# Altium PCB GenPulseBox.PcbDoc (part 1 of 3) (continued)
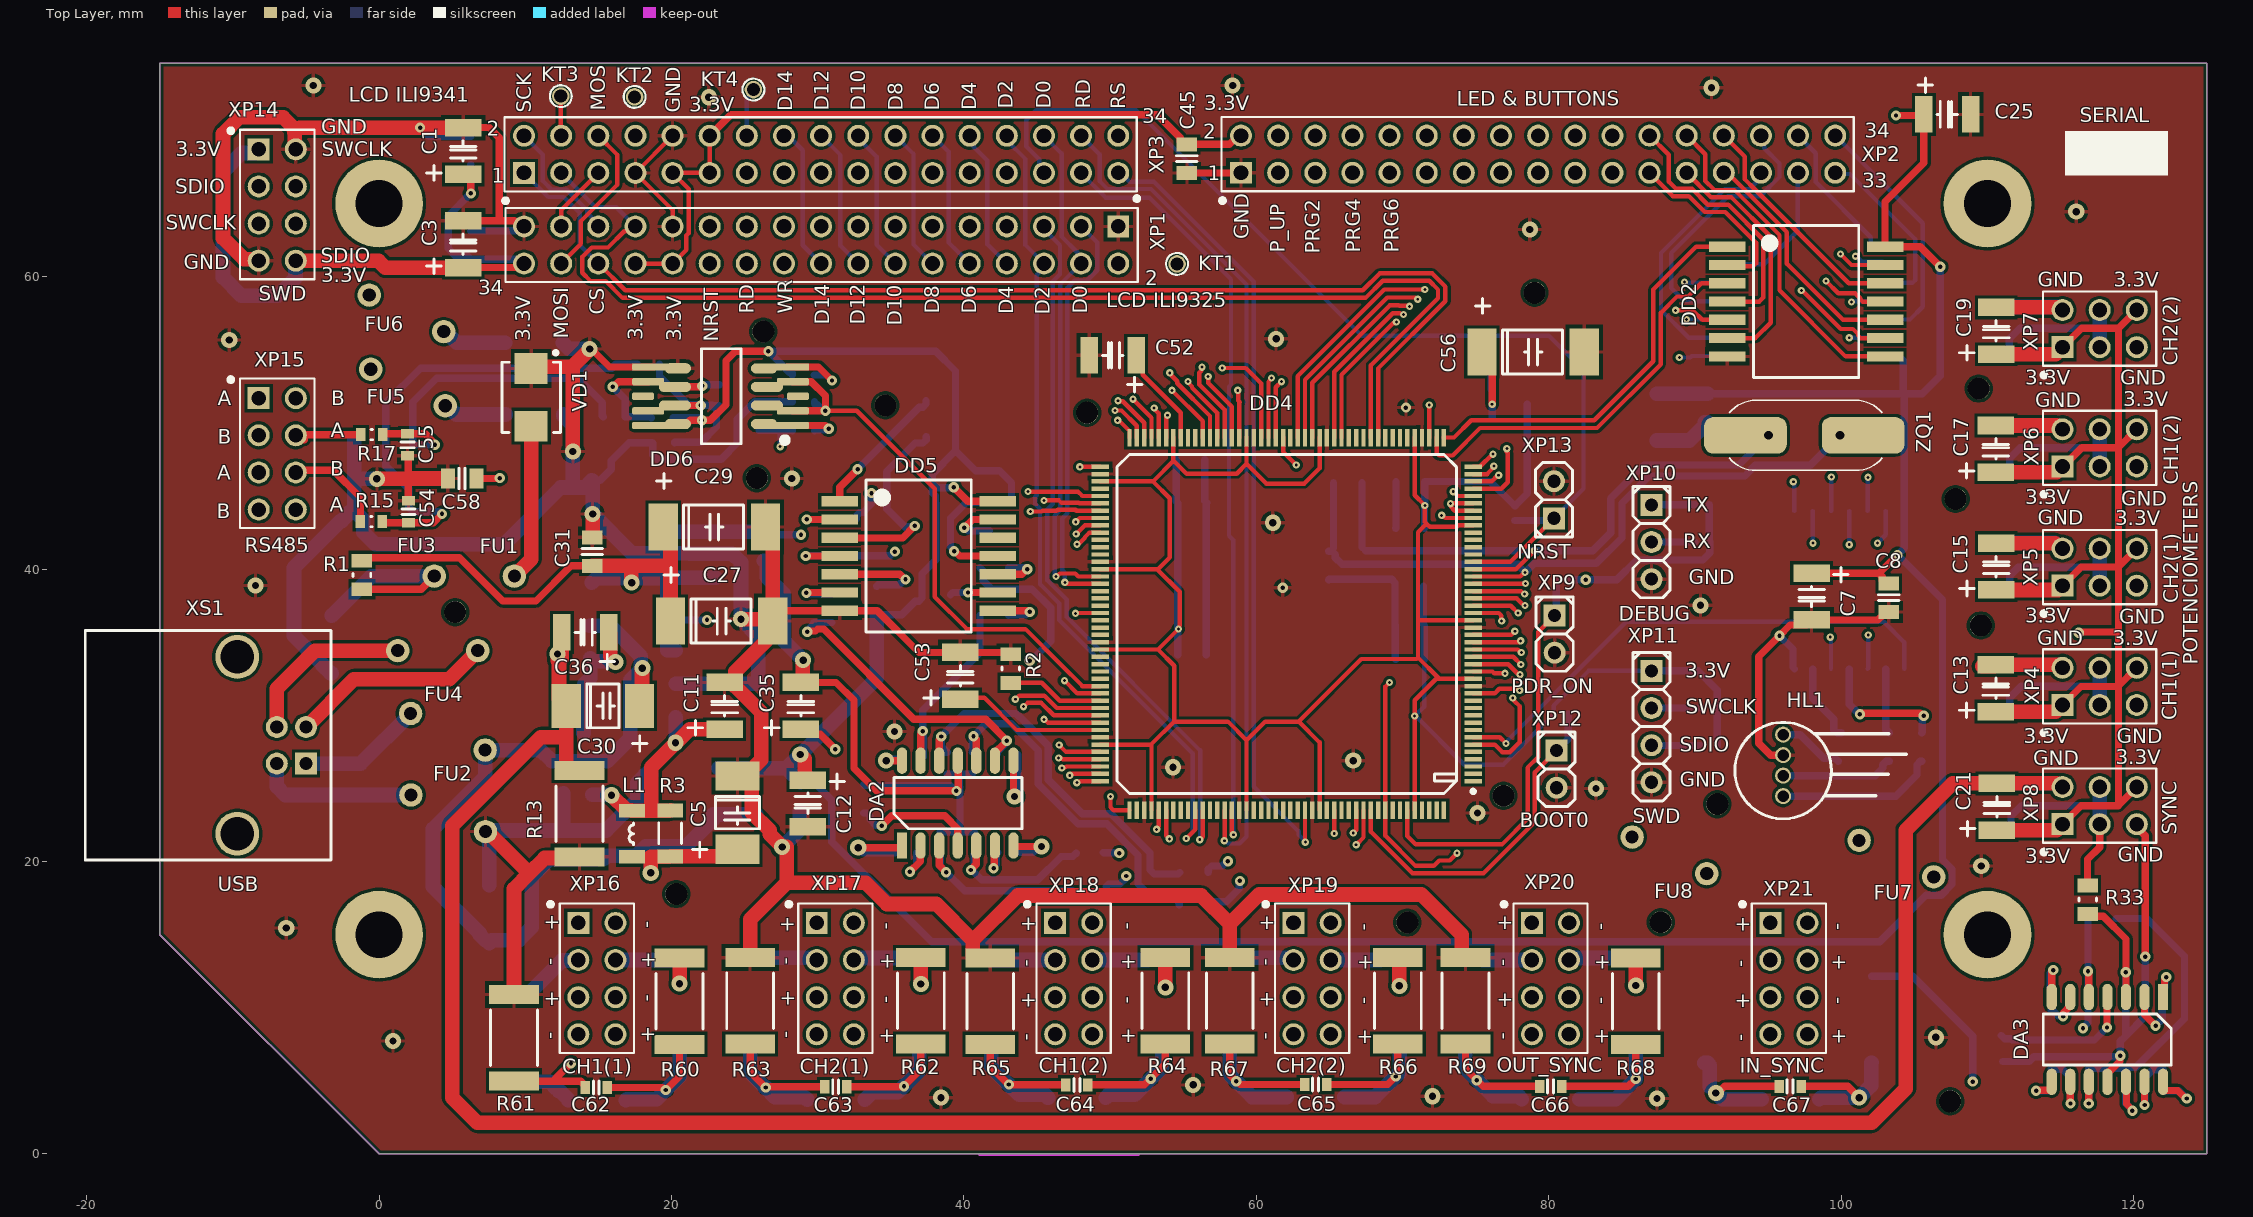
[diagram p0: Top Layer view]
## Part data (continued)
R3 R4 R12 R14: library part 3037, Manufacturer="АО «НПО «Эркон»", ManufacturerTU=ОЖ0.467.164ТУ, Package="1206 (3216)", PartNumber="Р1-8В-0,25-100 Ом±5 %-Т-А", PowerLimit=0,25, SolderTemperature=255, TemperatureRange="от минус 65 до 155", VoltageLimit=200, Alternative="1206 100 Ом, 0,25 Вт, ±5 %", Alternative2="Р1-8В-0,25-100 Ом±5 %-Т-А ОЖ0.467.164ТУ", CardKRR=68, ComponentLink1Description=Р1-8В, ComponentLink1URL=\\192.168.0.253\U_Base\PDF\R\Р1-8В.pdf, DataSheet=\\192.168.0.253\U_Base\PDF\R\Р1-8В.pdf, Group=Резисторы, HelpURL=\\192.168.0.253\U_Base\PDF\R\Р1-8В.pdf, Key=3037, Mark=101, Mass=0,01, MilitaryControl=ВП, Modify=28.06.2019, MountType=ПМ, Name=Р1-8В, SolderName=R1-8B-0.25-100Om, ViewControl="В, 10%", X_SORT_1=400, X_SORT_2=100, X_SORT_3=1
R5 R6 R7 R8 R9 R10 R11: library part 2905, Manufacturer="АО «НПО «Эркон»", ManufacturerTU=ОЖ0.467.164ТУ, Package="0402 (1005)", PartNumber="Р1-8В-0,063-10 кОм±5 %-Т-А", PowerLimit=0,063, SolderTemperature=255, TemperatureRange="от минус 65 до 155", VoltageLimit=50, Alternative="0402 10 кОм, 0,062 Вт, ±5 %", Alternative2="Р1-8В-0,062-10 кОм±5 %-Т-А ОЖ0.467.164ТУ", CardKRR=68, ComponentLink1Description=Р1-8В, ComponentLink1URL=\\192.168.0.253\U_Base\PDF\R\Р1-8В.pdf, DataSheet=#\\192.168.0.253\U_Base\PDF\R\Р1-8В.pdf#, Group=Резисторы, HelpURL=\\192.168.0.253\U_Base\PDF\R\Р1-8В.pdf, Key=2905, Mark=103, Mass=0,0007, MilitaryControl=ВП, Modify=28.06.2019, MountType=ПМ, Name=Р1-8В, SolderName=R1-8B-0.063-10kOm, ViewControl="В, 10%", X_SORT_1=400, X_SORT_2=100, X_SORT_3=1
R13 R70 R71: library part 3121, Manufacturer="АО «НПО «Эркон»", ManufacturerTU=ОЖ0.467.164ТУ, Package="2512 (6432)", PartNumber="Р1-8В-1,0-0,15 Ом±20 %-А", PowerLimit=1, SolderTemperature=255, TemperatureRange="от минус 65 до 155", VoltageLimit=200, Alternative="2512 0,15 Ом, 1 Вт, ±5 %", Alternative2="Р1-8В-1,0-0,15 Ом±20 %-А ОЖ0.467.164ТУ", CardKRR=68, ComponentLink1Description=Р1-8В, Group=Резисторы, Key=3121, Mark=0R15, Mass=0,04, MilitaryControl=ВП, Modify=28.06.2019, MountType=ПМ, Name=Р1-8В, SolderName=R1-8B-1.0-0.15Om, ViewControl="В, 10%", X_SORT_1=400, X_SORT_2=100, X_SORT_3=1
  R13: ComponentLink1URL=\\192.168.0.253\U_Base\PDF\R\Р1-8В.pdf, DataSheet=\\192.168.0.253\U_Base\PDF\R\Р1-8В.pdf, HelpURL=\\192.168.0.253\U_Base\PDF\R\Р1-8В.pdf
  R70 R71: ComponentLink1URL=\\192.168.0.101\U_Base\PDF\R\Р1-8В.pdf, DataSheet=#\\192.168.0.101\U_Base\PDF\R\Р1-8В.pdf#, HelpURL=\\192.168.0.101\U_Base\PDF\R\Р1-8В.pdf
R15 R17 R19 R21: library part 2944, Manufacturer="АО «НПО «Эркон»", ManufacturerTU=ОЖ0.467.164ТУ, Package="0603 (1608)", PartNumber="Р1-8В-0,1-10 Ом±5 %-Т-А", PowerLimit=0,1, SolderTemperature=255, TemperatureRange="от минус 65 до 155", VoltageLimit=100, Alternative="0603 10 Ом, 0,1 Вт, ±5 %", Alternative2="Р1-8В-0,1-10 Ом±5 %-Т-А ОЖ0.467.164ТУ", CardKRR=68, ComponentLink1Description=Р1-8В, ComponentLink1URL=\\192.168.0.253\U_Base\PDF\R\Р1-8В.pdf, DataSheet=\\192.168.0.253\U_Base\PDF\R\Р1-8В.pdf, Group=Резисторы, HelpURL=\\192.168.0.253\U_Base\PDF\R\Р1-8В.pdf, Key=2944, Mark=100, Mass=0,002, MilitaryControl=ВП, Modify=28.06.2019, MountType=ПМ, Name=Р1-8В, SolderName=R1-8B-0.1-10Om, ViewControl="В, 10%", X_SORT_1=400, X_SORT_2=100, X_SORT_3=1
R16 R22 R23 R24 R25 R26: library part 32904893, Manufacturer="АО «НПО «Эркон»", ManufacturerTU=ОЖ0.467.164ТУ, PartNumber="Р1-8В-0,125-10 МОм±5 %-Т-А", PowerLimit=0,125, SolderTemperature=255, TemperatureRange="от минус 65 до 155", VoltageLimit=150, Alternative="0805 10 МОм, 0,125 Вт, ±5 %", CardKRR=68, ComponentLink1Description=Р1-8В, ComponentLink1URL=\\192.168.0.253\U_Base\PDF\R\Р1-8В.pdf, DataSheet=\\192.168.0.253\U_Base\PDF\R\Р1-8В.pdf, Group=Резисторы, HelpURL=\\192.168.0.253\U_Base\PDF\R\Р1-8В.pdf, Key=32904893, MilitaryControl=ВП, Modify=28.06.2019, MountType=ПМ, Name=Р1-8В, SolderName=R1-8B-0.125-10MOm, ViewControl="В, 10%", X_SORT_1=400, X_SORT_2=100, X_SORT_3=1
R18 R20 R27 R28 R34 R40 R41 R42 R49 R57 R58 R59: library part 2943, Manufacturer="АО «НПО «Эркон»", ManufacturerTU=ОЖ0.467.164ТУ, Package="0603 (1608)", PartNumber="Р1-8В-0,1-10 кОм±5 %-Т-А", PowerLimit=0,1, SolderTemperature=255, TemperatureRange="от минус 65 до 155", VoltageLimit=100, Alternative="0603 10 кОм, 0,1 Вт, ±5 %", Alternative2="Р1-8В-0,1-10 кОм±5 %-Т-А ОЖ0.467.164ТУ", CardKRR=68, ComponentLink1Description=Р1-8В, ComponentLink1URL=\\192.168.0.253\U_Base\PDF\R\Р1-8В.pdf, DataSheet=\\192.168.0.253\U_Base\PDF\R\Р1-8В.pdf, Group=Резисторы, HelpURL=\\192.168.0.253\U_Base\PDF\R\Р1-8В.pdf, Key=2943, Mark=103, Mass=0,002, MilitaryControl=ВП, Modify=28.06.2019, MountType=ПМ, Name=Р1-8В, SolderName=R1-8B-0.1-10kOm, ViewControl="В, 10%", X_SORT_1=400, X_SORT_2=100, X_SORT_3=1
R29 R30 R31 R32 R33 R35 R36 R37 R38 R39 R72 R73 R74: library part 2957, Manufacturer="АО «НПО «Эркон»", ManufacturerTU=ОЖ0.467.164ТУ, Package="0805 (2012)", PartNumber="Р1-8В-0,125-1 кОм±5 %-Т-А", PowerLimit=0,125, SolderTemperature=255, TemperatureRange="от минус 65 до 155", VoltageLimit=150, Alternative="0805 1 кОм, 0,125 Вт, ±5 %", Alternative2="Р1-8В-0,125-1 кОм±5 %-Т-А ОЖ0.467.164ТУ", CardKRR=68, ComponentLink1Description=Р1-8В, ComponentLink1URL=\\192.168.0.253\U_Base\PDF\R\Р1-8В.pdf, DataSheet=\\192.168.0.253\U_Base\PDF\R\Р1-8В.pdf, Group=Резисторы, HelpURL=\\192.168.0.253\U_Base\PDF\R\Р1-8В.pdf, Key=2957, Mark=102, Mass=0,006, MilitaryControl=ВП, Modify=28.06.2019, MountType=ПМ, Name=Р1-8В, SolderName=R1-8B-0.125-1kOm, ViewControl="В, 10%", X_SORT_1=400, X_SORT_2=100, X_SORT_3=1
R43: library part 2978, Manufacturer="АО «НПО «Эркон»", ManufacturerTU=ОЖ0.467.164ТУ, Package="0805 (2012)", PartNumber="Р1-8В-0,125-220 кОм±5 %-Т-А", PowerLimit=0,125, SolderTemperature=255, TemperatureRange="от минус 65 до 155", VoltageLimit=150, Alternative="0805 220 кОм, 0,125 Вт, ±5 %", Alternative2="Р1-8В-0,125-220 кОм±5 %-Т-А ОЖ0.467.164ТУ", CardKRR=68, ComponentLink1Description=Р1-8В, ComponentLink1URL=\\192.168.0.101\U_Base\PDF\R\Р1-8В.pdf, DataSheet=#\\192.168.0.101\U_Base\PDF\R\Р1-8В.pdf#, Group=Резисторы, HelpURL=\\192.168.0.101\U_Base\PDF\R\Р1-8В.pdf, Key=2978, Mark=224, Mass=0,006, MilitaryControl=ВП, Modify=28.06.2019, MountType=ПМ, Name=Р1-8В, SolderName=R1-8B-0.125-220kOm, ViewControl="В, 10%", X_SORT_1=400, X_SORT_2=100, X_SORT_3=1
R44 R45 R46 R47 R48: library part 2941, Manufacturer="АО «НПО «Эркон»", ManufacturerTU=ОЖ0.467.164ТУ, Package="0603 (1608)", PartNumber="Р1-8В-0,1-1,5 кОм±5 %-Т-А", PowerLimit=0,1, SolderTemperature=255, TemperatureRange="от минус 65 до 155", VoltageLimit=100, Alternative="0603 1,5 кОм, 0,1 Вт, ±5 %", Alternative2="Р1-8В-0,1-1,5 кОм±5 %-Т-А ОЖ0.467.164ТУ", CardKRR=68, ComponentLink1Description=Р1-8В, ComponentLink1URL=\\192.168.0.101\U_Base\PDF\R\Р1-8В.pdf, DataSheet=#\\192.168.0.101\U_Base\PDF\R\Р1-8В.pdf#, Group=Резисторы, HelpURL=\\192.168.0.101\U_Base\PDF\R\Р1-8В.pdf, Key=2941, Mark=152, Mass=0,002, MilitaryControl=ВП, Modify=28.06.2019, MountType=ПМ, Name=Р1-8В, SolderName=R1-8B-0.1-1.5kOm, ViewControl="В, 10%", X_SORT_1=400, X_SORT_2=100, X_SORT_3=1
R50: library part 3011, Manufacturer="АО «НПО «Эркон»", ManufacturerTU=ОЖ0.467.164ТУ, Package="0603 (1608)", PartNumber="Р1-8В-0,1-3,3 кОм±5 %-Т-А", PowerLimit=0,1, SolderTemperature=255, TemperatureRange="от минус 65 до 155", VoltageLimit=100, Alternative="0603 3,3 кОм, 0,1 Вт, ±5 %", Alternative2="Р1-8В-0,1-3,3 кОм±5 %-Т-А ОЖ0.467.164ТУ", CardKRR=68, ComponentLink1Description=Р1-8В, ComponentLink1URL=\\192.168.0.253\U_Base\PDF\R\Р1-8В.pdf, DataSheet=\\192.168.0.253\U_Base\PDF\R\Р1-8В.pdf, Group=Резисторы, HelpURL=\\192.168.0.253\U_Base\PDF\R\Р1-8В.pdf, Key=3011, Mark=332, Mass=0,002, MilitaryControl=ВП, Modify=28.06.2019, MountType=ПМ, Name=Р1-8В, SolderName=R1-8B-0.1-3.3kOm, ViewControl="В, 10%", X_SORT_1=400, X_SORT_2=100, X_SORT_3=1
R51: library part 3024, Manufacturer="АО «НПО «Эркон»", ManufacturerTU=ОЖ0.467.164ТУ, Package="0603 (1608)", PartNumber="Р1-8В-0,1-6,8 кОм±5 %-Т-А", PowerLimit=0,1, SolderTemperature=255, TemperatureRange="от минус 65 до 155", VoltageLimit=100, Alternative="0603 6,8 кОм, 0,1 Вт, ±5 %", Alternative2="Р1-8В-0,1-6,8 кОм±5 %-Т-А ОЖ0.467.164ТУ", CardKRR=68, ComponentLink1Description=Р1-8В, ComponentLink1URL=\\192.168.0.253\U_Base\PDF\R\Р1-8В.pdf, DataSheet=\\192.168.0.253\U_Base\PDF\R\Р1-8В.pdf, Group=Резисторы, HelpURL=\\192.168.0.253\U_Base\PDF\R\Р1-8В.pdf, Key=3024, Mark=682, Mass=0,002, MilitaryControl=ВП, Modify=28.06.2019, MountType=ПМ, Name=Р1-8В, SolderName=R1-8B-0.1-6.8kOm, ViewControl="В, 10%", X_SORT_1=400, X_SORT_2=100, X_SORT_3=1
R52 R53 R54 R55 R56: library part 3017, Manufacturer="АО «НПО «Эркон»", ManufacturerTU=ОЖ0.467.164ТУ, Package="0603 (1608)", PartNumber="Р1-8В-0,1-4,7 кОм±5 %-Т-А", PowerLimit=0,1, SolderTemperature=255, TemperatureRange="от минус 65 до 155", VoltageLimit=100, Alternative="0603 4,7 кОм, 0,1 Вт, ±5 %", Alternative2="Р1-8В-0,1-4,7 кОм±5 %-Т-А ОЖ0.467.164ТУ", CardKRR=68, ComponentLink1Description=Р1-8В, ComponentLink1URL=\\192.168.0.101\U_Base\PDF\R\Р1-8В.pdf, DataSheet=#\\192.168.0.101\U_Base\PDF\R\Р1-8В.pdf#, Group=Резисторы, HelpURL=\\192.168.0.101\U_Base\PDF\R\Р1-8В.pdf, Key=3017, Mark=472, Mass=0,002, MilitaryControl=ВП, Modify=28.06.2019, MountType=ПМ, Name=Р1-8В, SolderName=R1-8B-0.1-4.7kOm, ViewControl="В, 10%", X_SORT_1=400, X_SORT_2=100, X_SORT_3=1
R60 R61 R62 R63 R64 R65 R66 R67 R68 R69 R75 R76 R77 R78 R79 R80 R81 R82 R83 R84: library part 3137, Manufacturer="АО «НПО «Эркон»", ManufacturerTU=ОЖ0.467.164ТУ, Package="2512 (6432)", PartNumber="Р1-8В-1,0-22 Ом±5 %-Т-А", PowerLimit=1, SolderTemperature=255, TemperatureRange="от минус 65 до 155", VoltageLimit=200, Alternative="2512 22 Ом, 1 Вт, ±5 %", Alternative2="Р1-8В-1,0-22 Ом±5 %-Т-А ОЖ0.467.164ТУ", CardKRR=68, ComponentLink1Description=Р1-8В, ComponentLink1URL=\\192.168.0.101\U_Base\PDF\R\Р1-8В.pdf, DataSheet=#\\192.168.0.101\U_Base\PDF\R\Р1-8В.pdf#, Group=Резисторы, HelpURL=\\192.168.0.101\U_Base\PDF\R\Р1-8В.pdf, Key=3137, Mark=220, Mass=0,04, MilitaryControl=ВП, Modify=28.06.2019, MountType=ПМ, Name=Р1-8В, SolderName=R1-8B-1.0-22Om, ViewControl="В, 10%", X_SORT_1=400, X_SORT_2=100, X_SORT_3=1
VD1 VD2 VD3 VD4 VD5 VD6 VD7 VD9 VD10 VD11 VD12 VD13 VD14: library part 163, Manufacturer=STMicroelectronics, PartNumber="Диод защитный SMBJ5.0CA-TR", SolderTemperature=260, TemperatureRange="от минус 55 до 150", VoltageLimit=13,4, Alternative="SMBJ5.0CA-TR YJ", CardKRR=56, ComponentLink1URL=\\192.168.0.101\U_Base\PDF\V\SMBJ.pdf, DataSheet=#\\192.168.0.101\U_Base\PDF\V\SMBJ.pdf#, Group=Диоды, HelpURL=\\192.168.0.101\U_Base\PDF\V\SMBJ.pdf, Key=163, Mass=0.26, MilitaryControl=ОТК, Modify=05.12.2022, MountType=ПМ, Name=SMBJ5.0CA, SolderName=SMBJ5.0CA, ViewControl="В, 10%"
VD8: library part 15, Manufacturer="ООО «Крип Техно»", ManufacturerTU=аА0.339.582ТУ, Package=SOT23, PartNumber="Набор диодов 2Д706АС9", TemperatureRange="от минус 60 до 125", Alternative="КД706АС9 аА0.336.543ТУ", Alternative2=BAW56LT1G, CardKRR=55, ComponentLink1Description=2Д706АС9, ComponentLink1URL=\\192.168.0.253\U_Base\PDF\V\2Д706АС9.pdf, DataSheet=#\\192.168.0.253\U_Base\PDF\V\2Д706АС9.pdf#, Group=Диоды, HelpURL=\\192.168.0.253\U_Base\PDF\V\2Д706АС9.pdf, Key=15, Mass=0,009, MilitaryControl=ВП, Modify=14.03.2019, MountType=ПМ, Name=2Д706АС9, SolderName=2D706AS9, ViewControl="В, 10%", X_SORT_1=500, X_SORT_2=300, X_SORT_3=1
XP1 XP2 XP3: library part 57, CurrentLimit=1, Manufacturer="АО «Карачевский завод Электродеталь»", ManufacturerTU=РЮМК.430420.011ТУ, Package=PLD, PartNumber="Вилка СНП346-34ВП22-2-В", PowerLimit=250, TemperatureRange="от минус 60 до 85", Alternative=PLD-34, Alternative2="СНП346-34ВП22-2 РЮМК.430420.019ТУ", CardKRR=75, ComponentLink1Description=СНП346, ComponentLink1URL=\\192.168.0.101\U_Base\PDF\X\СНП346.pdf, Conn35Name=35, Conn36Name=36, Conn37Name=37, Conn38Name=38, Conn39Name=39, Conn40Name=40, DataSheet=#\\192.168.0.101\U_Base\PDF\X\СНП346.pdf#, Group=Соединители, HelpURL=\\192.168.0.101\U_Base\PDF\X\СНП346.pdf, Key=57, Mass=0,00204, MilitaryControl=ВП, Modify=19.09.2018, MountType=РМ, Name=СНП346-34ВП22-2-В, SolderName=SNP346-34VP22-2, ViewControl="В, 10%", VoltageLimit=250, X_SORT_1=700, X_SORT_2=600, X_SORT_3=1
  XP1: Conn01Name=GND, Conn02Name=5V, Conn03Name=D1, Conn04Name=D0, Conn05Name=D3, Conn06Name=D2, Conn07Name=D5, Conn08Name=D4, Conn09Name=D7, Conn10Name=D6, Conn11Name=D9, Conn12Name=D8, Conn13Name=D11, Conn14Name=D10, Conn15Name=D13, Conn16Name=D12, Conn17Name=D15, Conn18Name=D14, Conn19Name=RS, Conn20Name=LCD-CS, Conn21Name=RD, Conn22Name=WR, Conn23Name=NC, Conn24Name=RST, Conn25Name=GND, Conn26Name=BL-VCC, Conn27Name=TP-IRQ, Conn28Name=BL-CTRL, Conn29Name=TP-SCK, Conn30Name=TP-CS, Conn31Name=TP-SDO, Conn32Name=TP-SDI, Conn33Name=GND, Conn34Name=3V3
  XP2: Conn01Name=GND, Conn02Name=3.3V_D, Conn03Name=PAGE_UP, Conn04Name=PROG1, Conn05Name=PROG2, Conn06Name=PROG3, Conn07Name=PROG4, Conn08Name=PROG5, Conn09Name=PROG6, Conn10Name=PAGE_DOWN, Conn11Name=CH1(1)_ON, Conn12Name=CH1(1)_REV, Conn13Name=CH1(2)_ON, Conn14Name=CH1(2)_REV, Conn15Name=CH2(1)_ON, Conn16Name=CH2(1)_REV, Conn17Name=CH2(2)_ON, Conn18Name=CH2(2)_REV, Conn19Name=CALIBR_TP, Conn20Name=LED_PWR_R, Conn21Name=LED_PWR_G, Conn22Name=LED_PWR_B, Conn23Name=LED_CH1(1)_R, Conn24Name=LED_CH1(1)_G, Conn25Name=LED_CH1(1)_B, Conn26Name=LED_CH2(1)_R, Conn27Name=LED_CH2(1)_G, Conn28Name=LED_CH2(1)_B, Conn29Name=LED_CH1(2)_R, Conn30Name=LED_CH1(2)_G, Conn31Name=LED_CH1(2)_B, Conn32Name=LED_CH2(2)_R, Conn33Name=LED_CH2(2)_G, Conn34Name=LED_CH2(2)_B
  XP3: Conn01Name=T_CS, Conn02Name=CLK, Conn03Name=PEN, Conn04Name=F_CS, Conn05Name=MISO, Conn06Name=MOSI, Conn07Name=GND, Conn08Name=NC, Conn09Name=VDD, Conn10Name=GND, Conn11Name=BL, Conn12Name=VDD, Conn13Name=DB15, Conn14Name=SDCS, Conn15Name=DB13, Conn16Name=DB14, Conn17Name=DB11, Conn18Name=DB12, Conn19Name=DB9, Conn20Name=DB10, Conn21Name=DB7, Conn22Name=DB8, Conn23Name=DB5, Conn24Name=DB6, Conn25Name=DB3, Conn26Name=DB4, Conn27Name=DB1, Conn28Name=DB2, Conn29Name=RST, Conn30Name=DB0, Conn31Name=WR, Conn32Name=RD, Conn33Name=CS, Conn34Name=RS
XP4 XP5 XP6 XP7 XP8: library part 43, CurrentLimit=1, Manufacturer="АО «Карачевский завод Электродеталь»", ManufacturerTU=РЮМК.430420.011ТУ, Package=PLD, PartNumber="Вилка СНП346-6ВП22-2-В", PowerLimit=250, TemperatureRange="от минус 60 до 85", Alternative=PLD-6, Alternative2="СНП346-6ВП22-2 РЮМК.430420.019ТУ", CardKRR=75, ComponentLink1Description=СНП346, ComponentLink1URL=\\192.168.0.101\U_Base\PDF\X\СНП346.pdf, Conn01Name=+3.3V_A, Conn02Name=GNDA, Conn05Name=GNDA, Conn06Name=+3.3V_A, Conn07Name=7, Conn08Name=8, Conn09Name=9, Conn10Name=10, Conn11Name=11, Conn12Name=12, Conn13Name=13, Conn14Name=14, Conn15Name=15, Conn16Name=16, Conn17Name=17, Conn18Name=18, Conn19Name=19, Conn20Name=20, Conn21Name=21, Conn22Name=22, Conn23Name=23, Conn24Name=24, Conn25Name=25, Conn26Name=26, Conn27Name=27, Conn28Name=28, Conn29Name=29, Conn30Name=30, Conn31Name=31, Conn32Name=32, Conn33Name=33, Conn34Name=34, Conn35Name=35, Conn36Name=36, Conn37Name=37, Conn38Name=38, Conn39Name=39, Conn40Name=40, DataSheet=#\\192.168.0.101\U_Base\PDF\X\СНП346.pdf#, Group=Соединители, HelpURL=\\192.168.0.101\U_Base\PDF\X\СНП346.pdf, Key=43, Mass=0,00036, MilitaryControl=ВП, Modify=19.09.2018, MountType=РМ, Name=СНП346-6ВП22-2-В, SolderName=SNP346-6VP22-2, ViewControl="В, 10%", VoltageLimit=250, X_SORT_1=700, X_SORT_2=600, X_SORT_3=1
  XP4: Conn03Name=LEV_CH1(1), Conn04Name=LEV_CH1(1)
  XP5: Conn03Name=LEV_CH2(1), Conn04Name=LEV_CH2(1)
  XP6: Conn03Name=LEV_CH1(2), Conn04Name=LEV_CH1(2)
  XP7: Conn03Name=LEV_CH2(2), Conn04Name=LEV_CH2(2)
  XP8: Conn03Name=LEV_SYNC, Conn04Name=LEV_SYNC
XP9 XP12 XP13: library part 2, CurrentLimit=1, Manufacturer="АО «Карачевский завод Электродеталь»", ManufacturerTU=РЮМК.430420.011ТУ, Package=PLS, PartNumber="Вилка СНП346-2ВП22-1-В", PowerLimit=250, TemperatureRange="от минус 60 до 85", Alternative=PLS-2, Alternative2="СНП346-2ВП22-1 РЮМК.430420.019ТУ", CardKRR=75, ComponentLink1Description=СНП346, ComponentLink1URL=\\192.168.0.253\U_Base\PDF\X\СНП346.pdf, Conn02Name=GND, Conn03Name=3, Conn04Name=4, Conn05Name=5, Conn06Name=6, Conn07Name=7, Conn08Name=8, Conn09Name=9, Conn10Name=10, Conn11Name=11, Conn12Name=12, Conn13Name=13, Conn14Name=14, Conn15Name=15, Conn16Name=16, Conn17Name=17, Conn18Name=18, Conn19Name=19, Conn20Name=20, Conn21Name=21, Conn22Name=22, Conn23Name=23, Conn24Name=24, Conn25Name=25, Conn26Name=26, Conn27Name=27, Conn28Name=28, Conn29Name=29, Conn30Name=30, Conn31Name=31, Conn32Name=32, Conn33Name=33, Conn34Name=34, Conn35Name=35, Conn36Name=36, Conn37Name=37, Conn38Name=38, Conn39Name=39, Conn40Name=40, DataSheet=#\\192.168.0.253\U_Base\PDF\X\СНП346.pdf#, Group=Соединители, HelpURL=\\192.168.0.253\U_Base\PDF\X\СНП346.pdf, Key=2, Mass=0,00012, MilitaryControl=ВП, Modify=19.09.2018, MountType=РМ, Name=СНП346-2ВП22-1-В, SolderName=SNP346-2VP22-1, ViewControl="В, 10%", VoltageLimit=250, X_SORT_1=700, X_SORT_2=600, X_SORT_3=1
  XP9: Conn01Name=PDR_ON
  XP12: Conn01Name=BOOT0
  XP13: Conn01Name=NRST
XP10: library part 3, CurrentLimit=1, Manufacturer="АО «Карачевский завод Электродеталь»", ManufacturerTU=РЮМК.430420.011ТУ, Package=PLS, PartNumber="Вилка СНП346-3ВП22-1-В", PowerLimit=250, TemperatureRange="от минус 60 до 85", Alternative=PLS-3, Alternative2="СНП346-3ВП22-1 РЮМК.430420.019ТУ", CardKRR=75, ComponentLink1Description=СНП346, ComponentLink1URL=\\192.168.0.253\U_Base\PDF\X\СНП346.pdf, Conn01Name=USART1_TX, Conn02Name=USART1_RX, Conn03Name=GND, Conn04Name=4, Conn05Name=5, Conn06Name=6, Conn07Name=7, Conn08Name=8, Conn09Name=9, Conn10Name=10, Conn11Name=11, Conn12Name=12, Conn13Name=13, Conn14Name=14, Conn15Name=15, Conn16Name=16, Conn17Name=17, Conn18Name=18, Conn19Name=19, Conn20Name=20, Conn21Name=21, Conn22Name=22, Conn23Name=23, Conn24Name=24, Conn25Name=25, Conn26Name=26, Conn27Name=27, Conn28Name=28, Conn29Name=29, Conn30Name=30, Conn31Name=31, Conn32Name=32, Conn33Name=33, Conn34Name=34, Conn35Name=35, Conn36Name=36, Conn37Name=37, Conn38Name=38, Conn39Name=39, Conn40Name=40, DataSheet=#\\192.168.0.253\U_Base\PDF\X\СНП346.pdf#, Group=Соединители, HelpURL=\\192.168.0.253\U_Base\PDF\X\СНП346.pdf, Key=3, Mass=0,00018, MilitaryControl=ВП, Modify=19.09.2018, MountType=РМ, Name=СНП346-3ВП22-1-В, SolderName=SNP346-3VP22-1, ViewControl="В, 10%", VoltageLimit=250, X_SORT_1=700, X_SORT_2=600, X_SORT_3=1
XP11: library part 4, CurrentLimit=1, Manufacturer="АО «Карачевский завод Электродеталь»", ManufacturerTU=РЮМК.430420.011ТУ, Package=PLS, PartNumber="Вилка СНП346-4ВП22-1-В", PowerLimit=250, TemperatureRange="от минус 60 до 85", Alternative=PLS-4, Alternative2="СНП346-4ВП22-1 РЮМК.430420.019ТУ", CardKRR=75, ComponentLink1Description=СНП346, ComponentLink1URL=\\192.168.0.253\U_Base\PDF\X\СНП346.pdf, Conn01Name=3.3V_D, Conn02Name=SWCLK, Conn03Name=SDIO, Conn04Name=GND, Conn05Name=5, Conn06Name=6, Conn07Name=7, Conn08Name=8, Conn09Name=9, Conn10Name=10, Conn11Name=11, Conn12Name=12, Conn13Name=13, Conn14Name=14, Conn15Name=15, Conn16Name=16, Conn17Name=17, Conn18Name=18, Conn19Name=19, Conn20Name=20, Conn21Name=21, Conn22Name=22, Conn23Name=23, Conn24Name=24, Conn25Name=25, Conn26Name=26, Conn27Name=27, Conn28Name=28, Conn29Name=29, Conn30Name=30, Conn31Name=31, Conn32Name=32, Conn33Name=33, Conn34Name=34, Conn35Name=35, Conn36Name=36, Conn37Name=37, Conn38Name=38, Conn39Name=39, Conn40Name=40, DataSheet=#\\192.168.0.253\U_Base\PDF\X\СНП346.pdf#, Group=Соединители, HelpURL=\\192.168.0.253\U_Base\PDF\X\СНП346.pdf, Key=4, Mass=0,00024, MilitaryControl=ВП, Modify=19.09.2018, MountType=РМ, Name=СНП346-4ВП22-1-В, SolderName=SNP346-4VP22-1, ViewControl="В, 10%", VoltageLimit=250, X_SORT_1=700, X_SORT_2=600, X_SORT_3=1
XP14 XP15 XP16 XP17 XP18 XP19 XP20 XP21: library part 44, CurrentLimit=1, Manufacturer="АО «Карачевский завод Электродеталь»", ManufacturerTU=РЮМК.430420.011ТУ, Package=PLD, PartNumber="Вилка СНП346-8ВП22-2-В", PowerLimit=250, TemperatureRange="от минус 60 до 85", Alternative=PLD-8, Alternative2="СНП346-8ВП22-2 РЮМК.430420.019ТУ", CardKRR=75, ComponentLink1Description=СНП346, ComponentLink1URL=\\192.168.0.101\U_Base\PDF\X\СНП346.pdf, Conn09Name=9, Conn10Name=10, Conn11Name=11, Conn12Name=12, Conn13Name=13, Conn14Name=14, Conn15Name=15, Conn16Name=16, Conn17Name=17, Conn18Name=18, Conn19Name=19, Conn20Name=20, Conn21Name=21, Conn22Name=22, Conn23Name=23, Conn24Name=24, Conn25Name=25, Conn26Name=26, Conn27Name=27, Conn28Name=28, Conn29Name=29, Conn30Name=30, Conn31Name=31, Conn32Name=32, Conn33Name=33, Conn34Name=34, Conn35Name=35, Conn36Name=36, Conn37Name=37, Conn38Name=38, Conn39Name=39, Conn40Name=40, DataSheet=#\\192.168.0.101\U_Base\PDF\X\СНП346.pdf#, Group=Соединители, HelpURL=\\192.168.0.101\U_Base\PDF\X\СНП346.pdf, Key=44, Mass=0,00048, MilitaryControl=ВП, Modify=19.09.2018, MountType=РМ, Name=СНП346-8ВП22-2-В, SolderName=SNP346-8VP22-2, ViewControl="В, 10%", VoltageLimit=250, X_SORT_1=700, X_SORT_2=600, X_SORT_3=1
  XP14: Conn01Name=3.3V_D, Conn02Name=GND, Conn03Name=SDIO, Conn04Name=SWCLK, Conn05Name=SWCLK, Conn06Name=SDIO, Conn07Name=GND, Conn08Name=3.3V_D
  XP15: Conn01Name=RS485_A, Conn02Name=RS485_B, Conn03Name=RS485_B, Conn04Name=RS485_A, Conn05Name=RS485_A, Conn06Name=RS485_B, Conn07Name=RS485_B, Conn08Name=RS485_A
  XP16: Conn01Name=CH1(1)+, Conn02Name=CH1(1)-, Conn03Name=CH1(1)-, Conn04Name=CH1(1)+, Conn05Name=CH1(1)+, Conn06Name=CH1(1)-, Conn07Name=CH1(1)-, Conn08Name=CH1(1)+
  XP17: Conn01Name=CH2(1)+, Conn02Name=CH2(1)-, Conn03Name=CH2(1)-, Conn04Name=CH2(1)+, Conn05Name=CH2(1)+, Conn06Name=CH2(1)-, Conn07Name=CH2(1)-, Conn08Name=CH2(1)+
  XP18: Conn01Name=CH1(2)+, Conn02Name=CH1(2)-, Conn03Name=CH1(2)-, Conn04Name=CH1(2)+, Conn05Name=CH1(2)+, Conn06Name=CH1(2)-, Conn07Name=CH1(2)-, Conn08Name=CH1(2)+
  XP19: Conn01Name=CH2(2)+, Conn02Name=CH2(2)-, Conn03Name=CH2(2)-, Conn04Name=CH2(2)+, Conn05Name=CH2(2)+, Conn06Name=CH2(2)-, Conn07Name=CH2(2)-, Conn08Name=CH2(2)+
  XP20: Conn01Name=OUT_SYNC+, Conn02Name=OUT_SYNC-, Conn03Name=OUT_SYNC-, Conn04Name=OUT_SYNC+, Conn05Name=OUT_SYNC+, Conn06Name=OUT_SYNC-, Conn07Name=OUT_SYNC-, Conn08Name=OUT_SYNC+
  XP21: Conn01Name=IN_SYNC+, Conn02Name=IN_SYNC-, Conn03Name=IN_SYNC-, Conn04Name=IN_SYNC+, Conn05Name=IN_SYNC+, Conn06Name=IN_SYNC-, Conn07Name=IN_SYNC-, Conn08Name=IN_SYNC+
XS1: library part 445, Manufacturer="KLS Electronic Co. Ltd", Package=L-KLS1, PartNumber="Розетка L-KLS1-151-W", TemperatureRange="от минус 35 до 85", CardKRR=75, ComponentLink1Description=L-KLS1, ComponentLink1URL=\\192.168.0.101\U_Base\PDF\X\L-KLS1-151-W.pdf, Conn01Name=1, Conn02Name=2, Conn03Name=3, Conn04Name=4, Conn05Name=5, Conn06Name=6, Conn07Name=7, Conn08Name=8, Conn09Name=9, Conn10Name=10, Conn11Name=11, Conn12Name=12, Conn13Name=13, Conn14Name=14, Conn15Name=15, Conn16Name=16, Conn17Name=17, Conn18Name=18, Conn19Name=19, Conn20Name=20, Conn21Name=21, Conn22Name=22, Conn23Name=23, Conn24Name=24, Conn25Name=25, Conn26Name=26, Conn27Name=27, Conn28Name=28, Conn29Name=29, Conn30Name=30, Conn31Name=31, Conn32Name=32, Conn33Name=33, Conn34Name=34, Conn35Name=35, Conn36Name=36, Conn37Name=37, Conn38Name=38, Conn39Name=39, Conn40Name=40, DataSheet=#\\192.168.0.101\U_Base\PDF\X\L-KLS1-151-W.pdf#, Group=Соединители, HelpURL=\\192.168.0.101\U_Base\PDF\X\L-KLS1-151-W.pdf, Key=445, MilitaryControl=отк, Modify=01.09.2022, MountType=РМ, Name=L-KLS1-151-W, ViewControl=В,100%
ZQ1: library part 9, Manufacturer="ОАО «Пьезо»", ManufacturerTU=ТУ6321-006-07604008-04, Package=HC49, PartNumber="Резонатор кварцевый РК456МДУ-6ДТ-8M-20 пФ-В", PowerLimit=0,002, TemperatureRange="от минус 60 до 85", Alternative="HC49-SМ 8,000 МГц", CardKRR=69, ComponentLink1URL=\\192.168.0.253\U_Base\PDF\OTHER\РК456МДУ.pdf, DataSheet=#\\192.168.0.253\U_Base\PDF\OTHER\РК456МДУ.pdf#, Group="Резонатор кварцевый", HelpURL=\\192.168.0.253\U_Base\PDF\OTHER\РК456МДУ.pdf, Key=9, Mark=8.000, MilitaryControl=ВП, Modify=14.03.2019, MountType=РМ, Name=РК456МДУ-6ДТ-8M, SolderName=RK456MDU-6DT, ViewControl=В,100%, X_SORT_1=800, X_SORT_2=800, X_SORT_3=1

## Free pads (board coordinates)
  round 6 hole 3.2 unplated: 0(0,15) 0(0,65) 0(110,15) 0(110,65)
  round 1.5 hole 1.5 unplated: 0(5.2,37.05) 0(20.325,17.775) 0(25.825,46.225) 0(26.275,56.25) 0(34.625,51.2) 0(48.425,50.7) 0(70.325,15.825) 0(76.9,24.5) 0(79.025,58.9) 0(87.65,15.85) 0(91.525,23.925) 0(107.45,3.6) 0(107.825,44.8) 0(109.4,52.35) 0(109.55,36.15)

## Via types
v1: diameter 0.5, hole 0.2, Top Layer to Bottom Layer, tented both sides, 100 vias
v2: diameter 0.7, hole 0.3, Top Layer to Bottom Layer, tented both sides, 83 vias
v3: diameter 1.1, hole 0.5, Top Layer to Bottom Layer, tented both sides, 51 vias

## Nets (pads, with @x,y where several pads share a name; then routed paths per layer and width w, separated by ;. In a path a pad name is that pad's centre, name@x,y a point inside that pad or via, vN(x,y) a via of type N, cw(c..) or ccw(c..) an arc to the next point about the centre after c; other vN are vias at no path point)
+3.3V_A: C13.2 C15.2 C17.2 C19.2 C21.2 C35.2 C37.2 DD4.38 DD4.39 L3.2 R12.2 XP4.1 XP4.6 XP5.1 XP5.6 XP6.1 XP6.6 XP7.1 XP7.6 XP8.1 XP8.6 | length 246.4
  Top Layer w0.3: v1(73.275,44.475) 73.275,44.293 73.568,44 DD4.38@74.825,44 ; v1@73.275,44.5 DD4.39@74.825,44.5
  Top Layer w0.5: C35.2@28.85,29.05 29.2,28.7 30.175,28.7 v2(31.2,27.675) ; XP8.1@115.135,22.555 116.405,23.825 118.945,23.825 118.97,23.85 ; XP4.1@115.135,30.711 116.399,31.975 118.939,31.975 118.97,32.006 ; XP5.1@115.135,38.867 116.418,40.15 118.958,40.15 118.97,40.163 ; XP6.1@115.135,47.024 115.635,47.524 115.674,47.524 116.45,48.3 118.951,48.3 118.97,48.319 ; XP7.1@115.135,55.18 116.43,56.475 118.97,56.475 ; v2(116.25,35.65) 116.288,35.688 116.43,35.688 116.441,35.7 118.945,35.7 118.97,35.725 ; XP8.6@120.215,25.095 118.97,23.85 ; XP4.6@120.215,33.251 118.97,32.006 ; XP5.6@120.215,41.407 118.97,40.163 ; XP6.6@120.215,49.564 118.97,48.319 ; XP7.6@120.215,57.72 118.97,56.475 ; 118.97,23.85 118.97,32.006 ; 118.97,32.006 118.97,35.725 ; 118.97,35.725 118.97,40.163 ; 118.97,40.163 118.97,48.319 ; 118.97,48.319 118.97,56.475
  Top Layer w1: C13.2@110.575,30.25 114.674,30.25 XP4.1@115.135,30.711 ; C17.2@110.575,46.625 114.736,46.625 XP6.1@115.135,47.024 ; C15.2@110.6,38.575 114.843,38.575 XP5.1@115.135,38.867 ; C19.2@110.6,54.7 114.655,54.7 XP7.1@115.135,55.18 ; C21.2@110.65,22.15 114.73,22.15 XP8.1@115.135,22.555
  Mid-Layer 1 w0.3: v1(73.275,44.475) 77.852,44.475 78.077,44.7 82.6,44.7 83.6,43.7
  Mid-Layer 1 w0.5: v2(28.85,42.35) 35.725,35.475 53.26,35.475 54.385,36.6 62.85,36.6 68.3,31.15 76.15,31.15 76.812,30.488 79.113,30.488 83.6,34.975 83.6,43.7 85.725,45.825 88.662,45.825 93.325,41.162 93.325,35.5 95.975,32.85 109.9,32.85 112.7,35.65 v2(116.25,35.65)
  Mid-Layer 2 w0.5: v2(28.85,42.35) 29.325,42.35 31.2,40.475 v2(31.2,27.675)
  Bottom Layer w0.5: C37.2@26.325,42.525 26.5,42.35 v2(28.85,42.35)
  Bottom Layer w1: R12.2@19.725,42.525 19.75,42.55 L3.2@23.025,42.55 26.3,42.55 C37.2@26.325,42.525
+3.3V_D: C1.2 C2.2 C3.2 C4.2 C27.2 C28.2 C29.2 C31.2 C39.2 C40.2 C41.2 C42.2 C43.2 C44.2 C45.2 C46.2 C47.2 C48.2 C49.2 DA1.3 DD4.15 DD4.23 DD4.36 DD4.49 DD4.62 DD4.72 DD4.82 DD4.91 DD4.103 DD4.114 DD4.127 DD4.136 DD4.149 DD4.159 DD4.172 L3.1 R1.1 R5.2 R6.2 R7.2 R8.1 R9.1 R10.2 R11.2 R12.1 VD8.A XP1.26 XP1.28 XP1.34 XP2.2 XP3.9 XP3.11 XP3.12 XP11.1 XP14.1 XP14.8 | length 438.4
  Top Layer w0.3: XP1.28@17.53,60.9 XP1.26@20.07,60.9 21.005,61.835 21.005,62.819 21.17,62.984 21.17,66 XP3.9@20.07,67.1 XP3.11@22.61,67.1 XP3.12@22.61,69.64 ; DD4.127@49.325,28 52.8,28 ; DD4.114@49.325,34.5 53.275,34.5 ; DD4.103@49.325,40 53.2,40 ; DD4.91@49.325,46 52.925,46 ; DD4.136@52.825,23.5 52.825,27.975 52.8,28 ; DD4.82@54.325,49 54.325,47.425 54.338,47.413 ; v1(54.675,35.9) 53.275,34.5 ; v1@54.75,36.116 54.75,38.45 53.2,40 ; DD4.149@59.325,23.5 59.325,28.3 ; DD4.72@59.325,49 59.325,47.2 ; DD4.159@64.325,23.5 64.325,28.15 62.9,29.575 ; DD4.62@64.325,49 64.325,46.901 63.274,45.85 60.675,45.85 59.325,47.2 ; DD4.172@70.825,23.5 v1(70.825,29.95) 70.825,31.025 72.3,32.5 72.5,32.5 ; DD4.49@70.825,49 70.825,45.05 v1(71.525,44.35) 71.525,43.225 71.637,43.112 ; DD4.15@74.825,32.5 72.5,32.5 ; DD4.23@74.825,36.5 71.05,36.5 ; DD4.36@74.825,43 73.799,43 73.699,42.9 71.85,42.9 71.637,43.112 ; 52.8,28 54.375,29.575 ; 52.925,46 54.075,44.85 54.075,40.8 53.275,40 53.2,40 ; 52.925,46 54.338,47.413 ; 53.275,34.5 54.375,33.4 54.375,29.575 ; 54.338,47.413 55.225,46.525 58.65,46.525 59.325,47.2 ; 54.375,29.575 58.05,29.575 59.325,28.3 ; 59.325,28.3 60.6,29.575 62.9,29.575 ; 62.9,29.575 67.175,33.85 70.95,33.85 71.05,33.95 ; 71.05,33.95 71.05,36.5 ; 71.05,33.95 72.4,32.6 72.5,32.5 ; 71.05,36.5 71.05,42.525 71.637,43.112
  Top Layer w0.5: R1.1@-1.175,40.575 -0.975,40.775 5.5,40.775 8.45,37.825 10.725,37.825 13.125,40.225 C31.2@14.579,40.225 ; C3.2@5.75,60.625 9.364,60.625 9.639,60.9 XP1.34@9.91,60.9 ; C1.2@5.75,67 5.925,67 6.275,66.65 v2(6.275,65.7) ; XP3.12@22.61,69.64 24.045,71.075 53.225,71.075 54.8,69.5 54.8,69.275 55.025,69.05 C45.2@55.25,69.05 58.157,69.05 58.757,69.65 XP2.2@58.95,69.65
  Top Layer w1: XP14.8@-5.7,61.095 -0.045,61.095 0.425,60.625 C3.2@5.75,60.625 ; C31.2@14.579,40.225 17.239,40.225 ; v3(17.275,39.075) 17.239,39.111 17.239,40.225 ; C29.2@19.425,42.879 19.925,42.379 19.925,40.25 ; C27.2@19.925,36.45 19.925,40.25 ; 17.239,40.225 19.9,40.225 19.925,40.25
  Mid-Layer 1 w0.5: v2(22.425,36.525) 24.175,34.775 53.55,34.775 v1(54.675,35.9) ; v1(71.525,44.35) 71.525,43.75 73.075,42.2 79.6,42.2 v2(82.525,39.275)
  Mid-Layer 2 w0.5: XP1.34@9.91,60.9 11.185,62.175 16.255,62.175 XP1.28@17.53,60.9 ; v3(17.275,39.075) 20.07,41.87 XP1.26@20.07,60.9
  Bottom Layer w0.3: v1(70.825,29.95) 71.475,30.6 C41.2@71.475,33.825 ; v1@70.825,30.025 74.225,26.625 76.875,26.625 80.2,29.95 80.225,29.95 80.325,30.05 R7.2@80.325,30.075 80.325,30.65 82.715,33.04 XP11.1@87.025,33.04
  Bottom Layer w0.5: C2.2@6.275,67.65 v2(6.275,65.7) 4.725,64.15 4.725,61.925 5.245,61.405 6.07,61.405 C4.2@6.275,61.2 9.339,61.2 9.639,60.9 XP1.34@9.91,60.9 ; 19.725,36.525 v2(22.425,36.525) ; C44.2@54.525,47.475 54.525,44.625 54.625,44.525 C48.2@54.625,41.175 C46.2@54.625,34.15 ; C39.2@71.425,38.85 71.425,36.2 C42.2@71.45,36.175 71.475,36.15 C41.2@71.475,33.825 ; C40.2@71.475,42.8 71.5,42.825 C43.2@71.5,45.975 ; v1(71.525,44.35) 71.525,45.875 71.65,46 76,46 77.65,44.35 77.65,44.325 77.7,44.325 77.7,44.35 78.525,45.175 VD8.A@78.525,51.3 ; R9.1@81.5,39.275 v2(82.525,39.275) 84.65,39.275 86,40.625 90.525,40.625 91,41.1 91,41.875 90.975,41.9 R5.2@90.975,44.395 ; XP11.1@87.025,33.04 90.21,33.04 91.525,31.725 R6.2@91.525,30.505 91.525,27.955 R11.2@91.525,27.93
  Bottom Layer w1: XP14.1@-8.24,68.715 -8.49,68.465 -9.385,68.465 -10.675,67.175 -10.675,59.95 -9.425,58.7 -6.95,58.7 -5.718,59.932 -5.718,61.077 XP14.8@-5.7,61.095 ; C28.2@14.546,39.083 14.838,39.375 R12.1@19.725,39.375 ; DA1.3@20.3,34.45 19.725,34.45 19.725,36.525 R12.1@19.725,39.375 ; L3.1@23.025,39.4 19.75,39.4 R12.1@19.725,39.375